# Altium PCB HYDRA_V3_RECOVERY_V2.PcbDoc (part 2 of 2)
Units mm, origin at the board's own origin, x right, y up, seen from the top; angles counter-clockwise.
Board outline 50 x 45 mm, 4 copper layers (Top Layer, PWR, GND, Bottom Layer), stack 0.603 mm thick; 134 components, 94 nets, 529 pads, 190 vias.
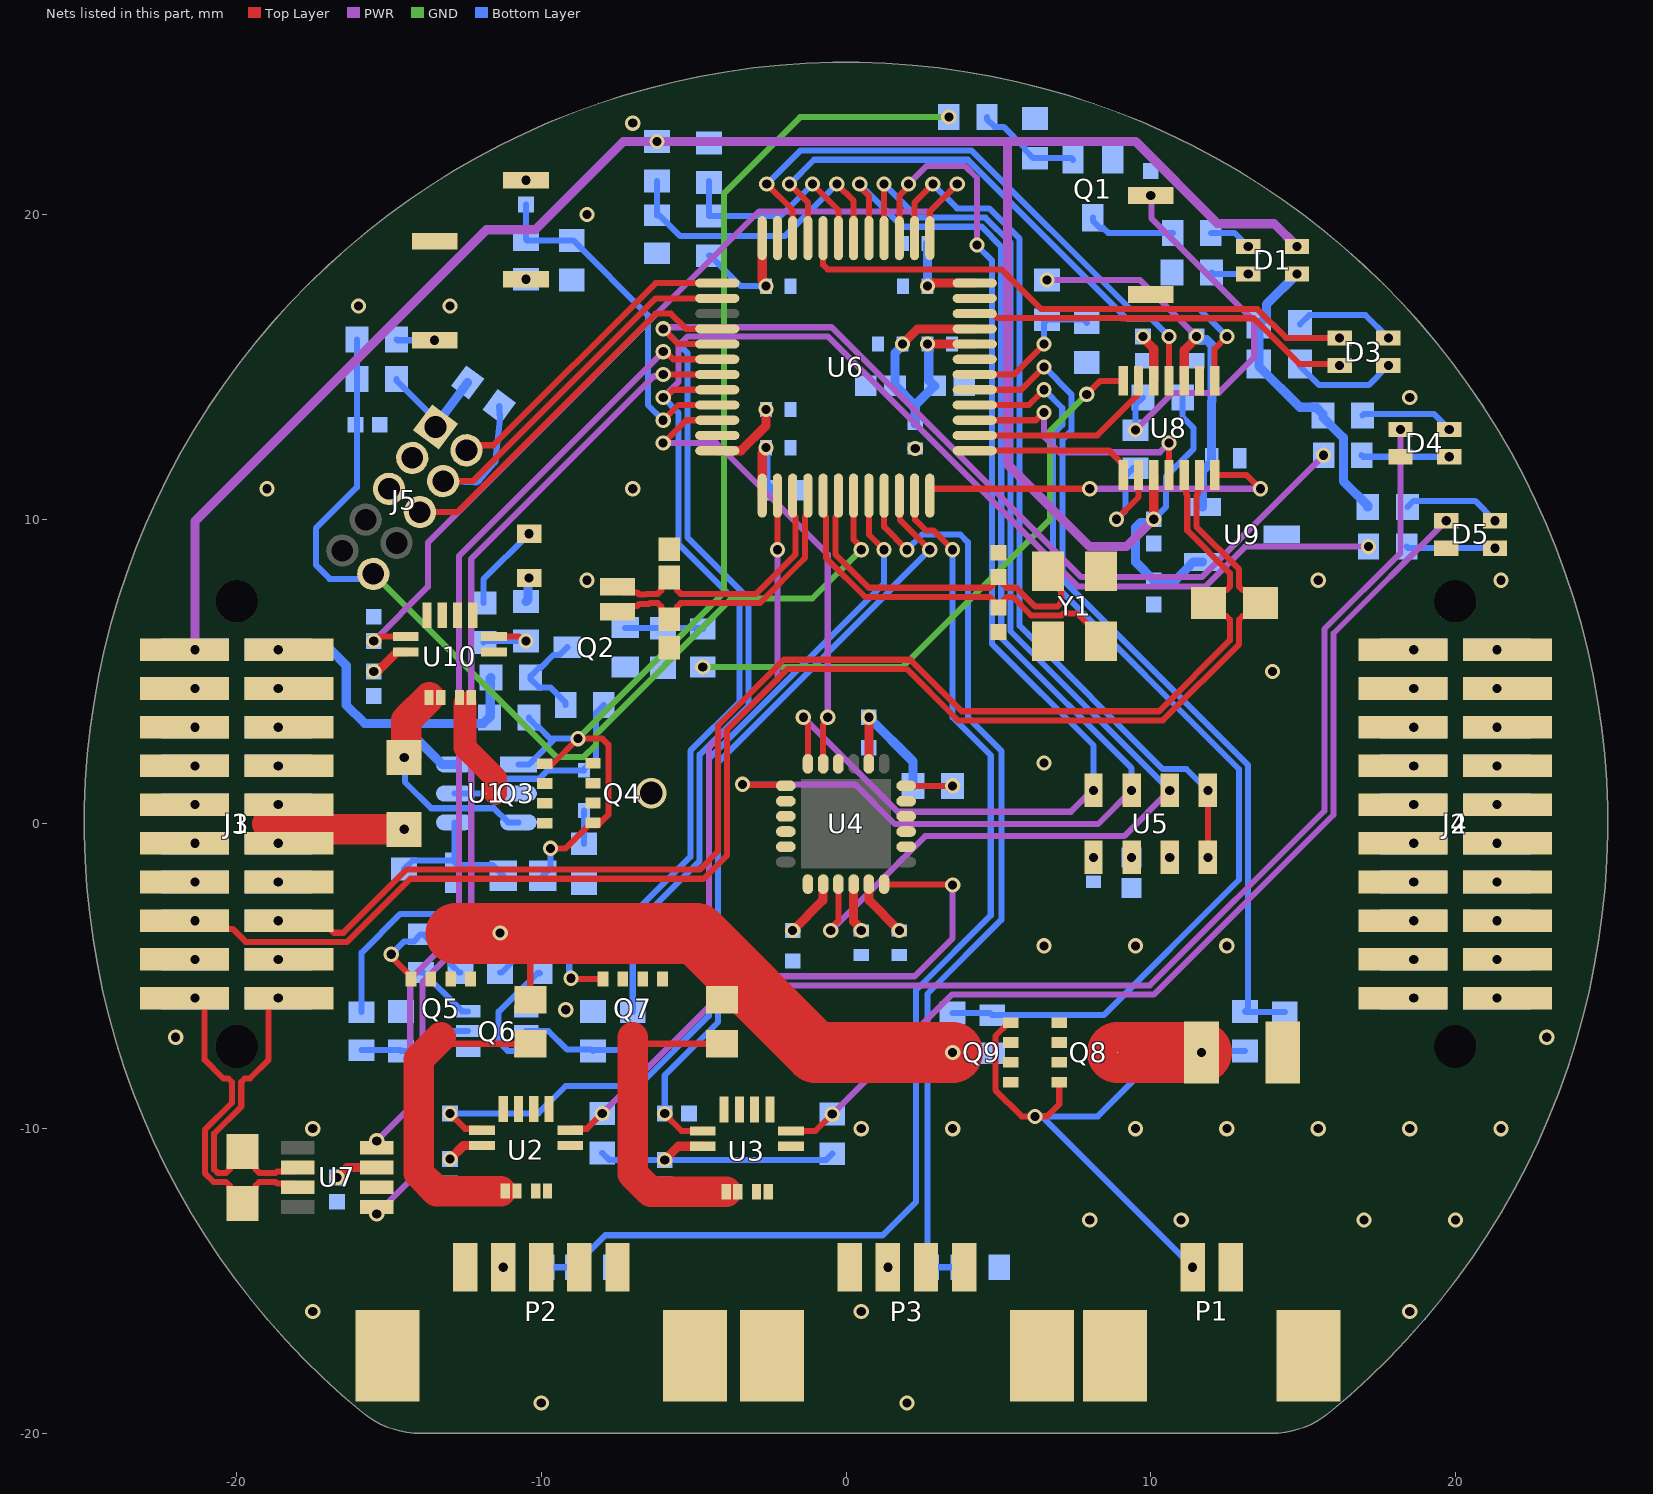
[diagram p4: the nets of this part, all layers, seen from the top]

## Part data (continued)
U5: library part CMP-2000-05251-1, "Barometric Pressure Sensor, with Stainless Steel Cap, 1.8 to 3.6 V, -45 to 85 degC, 8-Pin QFN, RoHS, Tape and Reel", Manufacturer="Measurement Specialties", Operating Pressure Max=1200mbar, Operating Pressure Min=10mbar, Operating Temperature Max=85degC, Operating Temperature Min=-40degC, Package Description="8-Pin Surface Mount Device, Body 5 x 3 mm, Pitch 1.25 mm", Package Reference=MS561101BA03-50-8, Sensor Case Style=QFN, Supply Current=12.5µA, Supply Voltage Max=3.6V, Supply Voltage Min=1.8V, Connection Size=0.5mm, Datasheet URL=http://www.te.com/commerce/DocumentDelivery/DDEController?Action=srchrtrv&DocNm=MS5611-01BA03&DocType=Data+Sheet&DocLang=English&DocFormat=pdf&PartCntxt=CAT-BLPS0036, Datasheet Version=Sep-15, Manufacturer URL=http://www.meas-spec.com/, No. of Pins=8, Pressure Type=Barometric, SVHC=NoSVHC(20-Jun-2013)
U6: library part CMP-020-00018-2, "RISC Microcontroller, 32-Bit, 170MHz", RoHS Compliant=Yes
U7: library part CMP-04872-000178-1, "IC TRANSCEIVER 1/1 SOT23-8", Case/Package=SOT-23-8, Max Operating Temperature=125°C, Min Operating Temperature=-40°C, Data Rate=1Mbps, Lead Free="Lead Free", Mount="Surface Mount", Packaging="Tape and Reel", RoHS Compliant=Yes
U8: library part CMP-318-000000-2, "Automotive CAN FD transceiver with watchdog, bus diagnostics and partial networking via sele 14-SOT-23-THIN -40 to 150", Component Type=Standard, Design Item ID=CMP-015-00012-2, Pin Count=14, Source=TCAN1146DYYRQ1.SchLib
U9: library part CMP-019-00041-1, "Ldo Cmos Lowcurr SOT23 T&r 3K"
Y1: library part CMP-27762-011708-1, "Crystal 48MHz ±20ppm 18pF SMD-4 3.2mm x 2.5mm", Case/Package=CSMD, ESR (Equivalent Series Resistance)=35R, Frequency=48MHz, Frequency Stability=50ppm, Frequency Tolerance=20ppm, Load Capacitance=18pF, Max Operating Temperature=70°C, Min Operating Temperature=-20°C, Operating Frequency="48 MHz", Package Quantity=1000, Resistor Type=Ceramic, Depth=2.5mm, Height=0.031inch, Lead Free="Lead Free", Length=3.2mm, Mount="Surface Mount", Number of Pins=4, Packaging="Tape and Reel", Radiation Hardening=No, REACH SVHC="No SVHC", RoHS Compliant=Yes, Series=ABM8, Series Resistance=35R, Termination=SMD/SMT, Tolerance=20ppm, Width=0.098inch
Y2: library part CMP-40224-000006-1, "CRYSTAL 32.7680KHZ 12.5PF SMD", Frequency=32.768kHz, Load Capacitance=12.5pF, Manufacturer="ECS International", Package=ECX-1210, Temperature="-40°C to +85°C", Temperature Range High=+85°C, Temperature Range Low=-40°C, Tolerance=20ppm, Automotive=No, Category=Crys, ComponentLink2Description=Datasheet, ComponentLink2URL=https://ecsxtal.com/store/pdf/ECX-1210.pdf, Device Class L1="Passive Components", Device Class L2="Crystals / Oscillators", Device Class L3=Crystals, Digikey Description="CRYSTAL 32.7680KHZ 12.5PF SMD", Esr=90kΩ, Height=0.5mm, Lead Free=Yes, Manufacturer Part Number=ECS-.327-12.5-1210-TR, Octopart=https://octopart.com/ecs-.327-12.5-1210-tr-ecs+international-81221340, RoHS=TRUE, Series=ECX-1210

## Via types
v1: diameter 0.5, hole 0.3, Top Layer to Bottom Layer, 188 vias
v2: diameter 1, hole 0.75, Top Layer to Bottom Layer, 1 vias
v3: diameter 0.5, hole 0.2, Top Layer to Bottom Layer, 1 vias

## Nets (pads, with @x,y where several pads share a name; then routed paths per layer and width w, separated by ;. In a path a pad name is that pad's centre, name@x,y a point inside that pad or via, vN(x,y) a via of type N, cw(c..) or ccw(c..) an arc to the next point about the centre after c; other vN are vias at no path point)
3V3: C3.2 C5.2 C6.1 C7.1 C8.2 C10.2 C11.1 C12.2 C13.2 C14.2 C17.1 C18.2 C21.2 C23.2 C32.2 C35.2 D1.2 DS1.1 FB1.1 J5.01 Q4.5-6-7-8 R21.2 R29.2 R32.1 R33.1 R34.2 R37.1 R39.2 R41.2 R49.1 R50.2 R51.1 SW2.2 U2.12 U3.12 U4.8 U4.11 U4.20 U5.1 U6.1 U6.24 U6.36 U6.48 U7.3 U8.5 U10.12 | length 50.1
  Top Layer w0.3: v1(-16.7,-11.6) -16.375,-11.275 U7.3@-15.4,-11.275 ; v1(-15.5,5) -15.462,5.038 -15.335,5.038 -14.725,5.648 U10.12@-14.45,5.648 ; v1(-13,-11) -12.552,-10.552 U2.12@-11.95,-10.552 ; v1(-5.95,-11.025) -5.502,-10.577 U3.12@-4.7,-10.577 ; U6.48@-4.225,12.25 -3.45,12.25 -2.625,13.075 v1(-2.625,13.6) ; U6.1@-2.75,10.775 -2.75,12.171 -2.625,12.296 v1(-2.625,12.35) ; U6.36@-2.75,19.225 -2.75,17.829 -2.625,17.704 v1(-2.625,17.65) ; v1(-1.75,-3.5) -0.76,-2.51 -0.76,-1.985 U4.8@-0.75,-1.975 ; U4.11@0.75,-1.975 0.76,-1.985 0.76,-2.51 v1(1.75,-3.5) ; U4.20@0.75,1.975 v1(0.75,3.5) ; v1(2.675,17.65) 2.729,17.65 2.829,17.75 U6.24@4.225,17.75 ; v1(9.75,16) 9.75,15.946 10.1,15.596 U8.5@10.1,14.543
  Bottom Layer w0.2: R49.1@-14.75,14.6 -14.75,14.55 -13.471,13.271 J5.01@-13.471,13.029 ; R21.2@-8,-10.8 -7.775,-11.025 v1(-5.95,-11.025) -0.65,-11.025 R29.2@-0.45,-10.825 ; R51.1@-4.5,18.65 -4.45,18.65 -3.45,17.65 v1(-2.625,17.65)
  Bottom Layer w0.3: J5.01@-13.471,13.029 -13.27,13.352 -12.58,14.268 R37.1@-12.419,14.491 ; R50.2@-10.5,7.3 -10.438,7.362 -10.438,8.037 v1(-10.4,8.075) ; v1(-2.625,12.35) -2.625,11.15 C17.1@-2.439,10.964 ; C17.1@-2.454,10.95 C17.1@-2.452,10.948 ; v1(0.75,3.5) 2.2,2.05 R34.2@2.2,1.25 ; v1(2.675,17.65) C11.1@2.675,19.05 ; v1(14.8,18.05) 13.8,17.05 13.8,16.65 R41.2@13.55,16.4 R39.2@13.55,15.1 13.55,15.025 14.9,13.675 15.425,13.675 15.65,13.45 R32.1@15.65,13.4 15.65,13.35 16.323,12.677 16.323,11.252 17.125,10.45 R33.1@17.125,10.4
  other v1: 8.125,-1.1 2.275,12.325 -10.5,21.125
  other v2: -6.39,1.012
3V3_CUTOFF_MOSFET: Q3.4 Q4.4 R6.2 R12.1 R13.2 U1.1 | length 39.7
  Top Layer w0.2: v1(-9.7,-0.8) -9.2,-0.8 -8.45,-0.05 -8.145,-0.05 -7.8,0.295 -7.8,2.6 -8,2.8 v1(-8.8,2.8) Q3.4@-9.666,1.934
  GND w0.2: v1(-8.8,2.8) -4,7.6 -4,20.7 -1.5,23.2 v1(3.375,23.2)
  Bottom Layer w0.2: U1.1@-10.75,1.95 -10.412,1.95 -9.562,2.8 ; R13.2@-10.4,3.5 -10.4,3.45 -10.125,3.175 -10.075,3.175 -9.7,2.8 -9.562,2.8 ; R12.1@-9.95,-1.7 -9.7,-1.45 v1(-9.7,-0.8) ; v1(-8.8,2.8) -9.562,2.8
3V3_I_SENSE: C34.2 U6.25 U10.11 | length 29.5
  Top Layer w0.2: v1(-15.5,6) -15.419,6 -15.271,6.148 U10.11@-14.45,6.148 ; U6.25@2.75,19.225 2.75,20.1 v1(3.65,21)
  PWR w0.2: v1(-15.5,6) -13.721,7.779 -13.721,9.236 -2.857,20.1 2.75,20.1 v1(3.65,21)
3V3_nFAULT: R50.1 R59.2 U10.6 | length 2.5
  Top Layer w0.2: U10.6@-11.55,6.148 -10.729,6.148 -10.581,6 v1(-10.5,6)
  Bottom Layer w0.2: R59.2@-11.9,5.95 -11.85,6 v1(-10.5,6)
3V3_POST_SHUNT: R10.2 U1.3 U10.1 U10.2 | length 7.4
  Top Layer w1: v1(-14.5,2.175) -14.425,2.25 -14.425,3.409 U10.1@-13.682,4.152
  Bottom Layer w0.2: v1(-14.5,2.175) -14.473,2.148 -14.473,1.373 -13.617,0.517 -11.554,0.517 -11.087,0.05 U1.3@-10.75,0.05
3V3_PRE_SHUNT: J1.09 J1.10 J1.11 J1.12 J3.09 J3.10 J3.11 J3.12 R10.1 R11.2 | length 4.6
  Top Layer w1: -19,0 -18.825,-0.175 v1(-14.5,-0.175)
  other v1: -21.365,-0.635 -18.635,-0.635 -21.365,0.635 -18.635,0.635
3V3_V_SENSE: R51.2 R52.1 U6.31 | length 7.1
  Top Layer w0.2: v1(-1.1,21) -0.25,20.15 U6.31@-0.25,19.225
  Bottom Layer w0.2: R51.2@-4.5,19.95 -2.15,19.95 v1(-1.1,21) ; R51.2@-4.5,20 R52.1@-4.5,21.05 R52.1@-4.5,21.1
5V_INT: C22.2 C27.1 R44.2 U8.3 U9.2 | length 13.4
  Top Layer w0.3: U8.3@11.1,14.543 11.1,15.546 11.5,15.946 v1(11.5,16)
  PWR w0.2: v1(6.6,17.85) 9.65,17.85 v1(11.5,16)
  Bottom Layer w0.3: v1(11.5,16) 11.61,15.89 11.836,15.89 12.012,15.714 12.012,13.882 12,13.87 C27.1@12,12 12,11.887 11.7,11.588 U9.2@11.7,10.4
BARO_MISO: U4.9 U5.6 U6.28 | length 41.5
  Top Layer w0.2: v1(-0.5,-3.5) -0.5,-3.419 -0.25,-3.169 U4.9@-0.25,-1.975 ; U6.28@1.25,19.225 v1(1.25,21)
  PWR w0.2: v1(-0.5,-3.5) 2.6,-0.4 9.125,-0.4 v1(10.625,1.1)
  Bottom Layer w0.2: v1(1.25,21) 2.35,19.9 4.573,19.9 5.398,19.075 5.398,6.327 v1(10.625,1.1)
BARO_MOSI: U4.1 U5.7 U6.29 | length 42.2
  Top Layer w0.2: v1(-3.4,1.3) -3.375,1.275 -2,1.275 U4.1@-1.975,1.25 ; v1(0.45,21) 0.45,20.919 0.75,20.619 U6.29@0.75,19.225
  PWR w0.2: v1(-3.4,1.3) 0.3,1.3 1.602,-0.002 8.273,-0.002 v1(9.375,1.1)
  Bottom Layer w0.2: v1(0.45,21) 1.852,19.598 4.449,19.598 5.097,18.95 5.097,6.103 9.375,1.825 v1(9.375,1.1)
BARO_nCS: U5.4 U5.5 U6.26 | length 28.9
  Top Layer w0.2: U6.26@2.25,19.225 2.25,20.4 v1(2.85,21) ; v1(11.875,-1.1) v1(11.875,1.1)
  Bottom Layer w0.2: v1(2.85,21) 3.648,20.202 4.698,20.202 5.7,19.2 5.7,6.5 10.4,1.8 11.175,1.8 v1(11.875,1.1)
BARO_SCLK: U4.24 U5.8 U6.27 | length 38.9
  Top Layer w0.2: v1(-1.4,3.5) -1.4,3.419 -1.25,3.269 U4.24@-1.25,1.975 ; U6.27@1.75,19.225 1.75,20.619 2.05,20.919 v1(2.05,21)
  PWR w0.2: v1(-1.4,3.5) 1.7,0.4 7.383,0.4 8.083,1.1 v1(8.125,1.1) ; v1(2.05,21) 2.65,21.6 3.9,21.6 4.3,21.2 v1(4.3,19)
  Bottom Layer w0.2: v1(4.3,19) 4.3,18.98 4.795,18.484 4.795,5.905 8.125,2.575 v1(8.125,1.1)
BOOT: C32.1 R46.1 R48.2 U6.45 | length 11.8
  Top Layer w0.2: v1(-6.002,13.25) -6,13.25 -5.5,13.75 U6.45@-4.225,13.75
  Bottom Layer w0.2: C32.1@-10.5,20.325 R46.1@-10.5,19.175 -10.475,19.15 R48.2@-9,19.15 -8.95,19.15 -6.5,16.7 -6.5,13.75 v1(-6.002,13.25) v1(-6.002,13.25)
CAN0_N: J1.16 J3.16 R40.2 U8.12 | length 46
  Top Layer w0.2: v1(-18.635,-3.175) J3.16@-18.285,-3.175 -17.195,-3.175 -16.925,-3.445 -16.925,-3.455 -16.808,-3.572 -16.498,-3.572 -15.2,-2.273 -14.513,-1.587 -14.425,-1.498 -4.798,-1.498 -4.202,-0.902 -4.202,3.225 -2.038,5.388 2.112,5.388 3.8,3.7 10.273,3.7 12.599,6.026 12.599,6.708 12.482,6.825 12.325,6.825 R40.2@11.9,7.25 12.325,7.675 12.482,7.675 12.599,7.792 12.599,8.232 11.199,9.632 11.199,10.792 11.153,10.839 11.153,11.405 U8.12@11.1,11.457
CAN0_P: J1.15 J3.15 R40.1 U8.13 | length 49.4
  Top Layer w0.2: v1(-21.365,-3.175) -21.095,-3.445 -20.13,-3.445 -19.702,-3.873 -16.373,-3.873 -14.3,-1.8 -4.673,-1.8 -3.9,-1.027 -3.9,3.1 -1.913,5.087 1.987,5.087 3.498,3.575 3.675,3.398 10.398,3.398 12.901,5.901 12.901,6.708 13.018,6.825 13.175,6.825 R40.1@13.6,7.25 13.175,7.675 13.018,7.675 12.901,7.792 12.901,8.357 11.501,9.757 11.501,10.792 11.548,10.839 11.548,11.405 U8.13@11.6,11.457
CAN1_N: J1.20 J3.20 R38.1 U7.6 | length 10.2
  Top Layer w0.2: v1(-18.635,-5.715) -18.68,-5.715 -18.95,-5.985 -18.95,-7.74 -19.565,-8.355 -19.732,-8.355 -19.849,-8.472 -19.849,-9.275 -20.742,-10.168 -20.742,-11.332 -20.625,-11.449 -20.342,-11.449 -20.225,-11.332 -20.225,-11.175 R38.1@-19.8,-10.75 -19.375,-11.175 -19.375,-11.332 -19.258,-11.449 -18.723,-11.449 -18.674,-11.4 -18.125,-11.4 U7.6@-18,-11.275
CAN1_P: J1.19 J3.19 R38.2 U7.7 | length 10.7
  Top Layer w0.2: v1(-21.365,-5.715) -21.32,-5.715 -21.05,-5.985 -21.05,-7.74 -20.435,-8.355 -20.268,-8.355 -20.151,-8.472 -20.151,-9.15 -21.044,-10.043 -21.044,-11.457 -20.75,-11.751 -20.342,-11.751 -20.225,-11.868 -20.225,-12.025 R38.2@-19.8,-12.45 -19.375,-12.025 -19.375,-11.868 -19.258,-11.751 -18.723,-11.751 -18.674,-11.8 -18.125,-11.8 U7.7@-18,-11.925
CAN1_RX: U6.33 U8.4 | length 18.7
  Top Layer w0.2: v1(-1.85,21) -1.25,20.4 U6.33@-1.25,19.225 ; U8.4@10.6,14.543 v1(10.6,16)
  Bottom Layer w0.2: v1(-1.85,21) -1.05,21.8 4,21.8 9.202,16.598 10.002,16.598 v1(10.6,16)
CAN1_TX: U6.34 U8.1 | length 21.8
  Top Layer w0.2: v1(-2.6,21) -1.75,20.15 U6.34@-1.75,19.225 ; U8.1@12.1,14.543 12.1,15.6 v1@12.5,16
  Bottom Layer w0.2: v1(-2.6,21) -1.498,22.102 4.125,22.102 9.327,16.9 11.6,16.9 v1@12.5,16
  other v1: 12.501,16
CAN2_RX: U6.42 U7.4 | length 31.7
  Top Layer w0.2: v1(-6,15.5) -5.919,15.5 -5.669,15.25 U6.42@-4.225,15.25
  PWR w0.2: v1(-15.4,-10.4) -14.3,-9.3 -14.3,-5.1 -12.7,-3.5 -12.7,8.8 v1(-6,15.5)
CAN2_TX: U6.43 U7.1 | length 33.4
  Top Layer w0.2: v1(-6,14.75) U6.43@-4.225,14.75
  PWR w0.2: v1(-15.4,-12.8) -13.9,-11.3 -13.9,-5.2 -12.3,-3.6 -12.3,8.7 -6.307,14.693 -6.057,14.693 v1(-6,14.75)
CAN_INH: R5.2 U8.7 | length 19.4
  Top Layer w0.2: v1(7.9,14.1) 8.343,14.543 U8.7@9.1,14.543
  GND w0.2: v1(-4.7,5.15) 1.85,5.15 6.7,10 6.7,12.9 v1(7.9,14.1)
CAN_MISO: U6.14 U8.6 | length 6.4
  Top Layer w0.2: U6.14@4.225,12.75 8.25,12.75 9.547,14.047 9.547,14.491 U8.6@9.6,14.543
CAN_MOSI: U6.15 U8.11 | length 8.7
  Top Layer w0.2: U6.15@4.225,13.25 6.233,13.25 6.483,13.5 v1(6.5,13.5) ; U8.11@10.6,11.457 v1(10.6,12.5)
  PWR w0.2: v1(6.5,13.5) 6.5,12.7 7,12.2 10.3,12.2 v1(10.6,12.5)
CAN_nCS: U6.12 U8.14 | length 12.7
  Top Layer w0.2: U6.12@2.75,10.775 2.75,10.954 2.796,11 v1(8,11) ; U8.14@12.1,11.457 13.143,11.457 v1(13.6,11)
  PWR w0.2: v1(8,11) v1(13.6,11)
CAN_SCLK: U6.13 U8.8 | length 5.4
  Top Layer w0.2: U6.13@4.225,12.25 8.643,12.25 9.1,11.793 U8.8@9.1,11.457
DROGUE_I_SENSE: C4.2 U3.11 U6.10 | length 25.8
  Top Layer w0.2: v1(-5.95,-9.5) -5.95,-9.525 -5.398,-10.077 U3.11@-4.7,-10.077 ; U6.10@1.75,10.775 1.768,10.757 1.768,9.982 v1(2.75,9)
  Bottom Layer w0.2: v1(-5.95,-9.5) -5.95,-8.25 -4.2,-6.5 -4.2,-0.9 -4.2,2.02 1.552,7.772 1.552,7.802 v1(2.75,9)
DROGUE_MATCH: P3.1 P3.2 R22.2 U3.3 U3.4
  other v1: 1.375,-14.55
DROGUE_nFAULT: D5.4 R29.1 U3.6 | length 33.3
  Top Layer w0.2: U3.6@-1.8,-10.077 -1.002,-10.077 v1(-0.45,-9.525)
  PWR w0.2: v1(-0.45,-9.525) 3.473,-5.602 10.098,-5.602 16,0.3 16,6.25 v1(19.7,9.95)
DROGUE_SENSE: R22.1 R25.2 U6.9 | length 30.7
  Top Layer w0.2: U6.9@1.25,10.775 1.25,9.75 v1(2,9)
  Bottom Layer w0.2: v1(2,9) 2.5,9.5 3.75,9.5 3.998,9.252 3.998,3.502 5.1,2.4 5.1,-3.15 2.675,-5.575 R22.1@2.675,-14.55 R25.2@3.75,-14.55
DROGUE_TRIG: R27.1 R31.1 U6.44 | length 61.3
  Top Layer w0.2: v1(-6,14) -5.919,14 -5.669,14.25 U6.44@-4.225,14.25
  PWR w0.2: v1(-6,14) -5.5,14.5 -5.5,15.7 -5.2,16 -0.6,16 7.602,7.798 11.8,7.798 13.102,9.1 v1(17.15,9.1)
  Bottom Layer w0.2: R27.1@-15.9,-6.175 -15.9,-4.225 -14.625,-2.95 -6.975,-2.95 -5.105,-1.08 -5.105,2.395 -3.5,4 -3.5,7.2 -5.502,9.202 -5.502,13.502 v1(-6,14)
GND: C1.2 C2.1 C3.1 C4.1 C5.1 C6.2 C7.2 C8.1 C9.1 C10.1 C11.2 C12.1 C13.1 C14.1 C15.2 C16.1 C17.2 C18.1 C19.2 C20.1 C21.1 C22.1 C23.1 C24.1 C25.1 C26.2 C27.2 C28.2 C29.2 C30.2 C31.1 C33.2 C34.1 C35.1 D4.1 D5.1 J1.07 J1.08 J1.13 J1.14 J1.17 J1.18 J2.01 J2.02 J2.03 J2.04 J2.05 J2.06 J2.07 J2.08 J2.09 J2.10 J2.11 J2.12 J3.07 J3.08 J3.13 J3.14 J3.17 J3.18 J4.01 J4.02 J4.03 J4.04 J4.05 J4.06 J4.07 J4.08 J4.09 J4.10 J4.11 J4.12 J5.03 J5.05 P1.2 P1.MP1 P1.MP2 P2.1 P2.4 P2.5 P2.MP1 P2.MP2 P3.3 P3.4 P3.MP1 P3.MP2 Q1.2 Q2.2 Q6.1 Q6.4 R1.2 R7.1 R8.1 R9.1 R17.1 R20.1 R25.1 R28.1 R35.1 R45.2 R48.1 R52.2 R54.2 R56.2 R58.2 SW1.2 SW3.2 U1.2 U2.5 U2.7 U2.8 U2.9 U2.10 U3.5 U3.7 U3.8 U3.9 U3.10 U4.2 U4.3 U4.4 U4.5 U4.7 U4.14 U4.15 U4.16 U4.17 U4.22 U5.3 U6.19 U6.23 U6.35 U6.47 U7.2 U8.2 U9.3 U10.5 U10.7 U10.8 U10.9 U10.10 Y1.2 Y1.4
  other v1: -10,-19 2,-19 -17.5,-16 0.5,-16 18.5,-16 8,-13 11,-13 17,-13 20,-13 -17.5,-10 0.5,-10 3.5,-10 9.5,-10 12.5,-10 15.5,-10 18.5,-10 21.5,-10 -22,-7 23,-7 -9.2,-6.1 -21.365,-4.445 -18.635,-4.445 6.5,-4 9.5,-4 12.5,-4 -21.365,-1.905 -18.635,-1.905 10.625,-1.1 18.635,-0.635 21.365,-0.635 18.635,0.635 21.365,0.635 -21.365,1.905 -18.635,1.905 18.635,1.905 21.365,1.905 6.5,2 18.635,3.175 21.365,3.175 18.635,4.445 21.365,4.445 14,5 18.635,5.715 21.365,5.715 -8.5,8 15.5,8 21.5,8 -19,11 -7,11 18.5,14 -16,17 -13,17 -8.5,20 -7,23
IMU_nCS: U4.23 U6.46 | length 15.9
  Top Layer w0.2: v1(-6.002,12.5) -6,12.5 -5.25,13.25 U6.46@-4.225,13.25 ; U4.23@-0.75,1.975 -0.75,3.269 -0.6,3.419 v1(-0.6,3.5)
  PWR w0.2: v1(-6.002,12.5) -4.25,12.5 -0.6,8.85 v1(-0.6,3.5)
IMU_nRESET: R34.1 U4.18 | length 1.5
  Top Layer w0.2: U4.18@1.975,1.25 v1(3.5,1.25)
IMU_ODR: U4.12 U6.2 | length 28.1
  Top Layer w0.2: v1(-2.25,9) U6.2@-2.25,10.775 ; U4.12@1.25,-1.975 1.262,-1.987 3.487,-1.987 v1(3.5,-2)
  PWR w0.2: v1(-2.25,9) -2.25,4.75 -4.5,2.5 -4.5,-3 -2.502,-4.998 2.252,-4.998 3.5,-3.75 v1(3.5,-2)
INT_5V_SENSE: R44.1 R45.1 U6.18 | length 4.9
  Top Layer w0.2: U6.18@4.225,14.75 5.5,14.75 v1(6.5,15.75)
  Bottom Layer w0.2: v1(6.5,15.75) 6.5,16.45 R44.1@6.6,16.55 7.8,16.55 R45.1@7.9,16.45
MAIN_I_SENSE: C2.2 U2.11 U6.8 | length 30.8
  Top Layer w0.2: v1(-13,-9.5) -12.498,-10.002 -12,-10.002 U2.11@-11.95,-10.052 ; U6.8@0.75,10.775 0.75,9.5 v1(1.25,9)
  Bottom Layer w0.2: v1(-13,-9.5) -10.1,-9.5 -9.2,-8.6 -6.8,-8.6 -4.502,-6.302 -4.502,2.145 1.25,7.897 v1(1.25,9)
MAIN_MATCH: P2.2 P2.3 R14.2 U2.3 U2.4
  other v1: -11.25,-14.55
MAIN_nFAULT: D4.4 R21.1 U2.6 | length 42.6
  Top Layer w0.2: U2.6@-9.05,-10.052 -9,-10.002 -8.502,-10.002 v1(-8,-9.5)
  PWR w0.2: v1(-8,-9.5) -3.8,-5.3 9.973,-5.3 15.698,0.425 15.698,6.398 18.2,8.9 v1(18.2,12.95)
MAIN_SENSE: R14.1 R17.2 U6.11 | length 38.6
  Top Layer w0.2: U6.11@2.25,10.775 2.268,10.757 2.268,9.982 2.617,9.633 2.867,9.633 3.498,9.002 v1(3.498,9)
  Bottom Layer w0.2: R14.1@-9.95,-14.55 R17.2@-8.875,-14.55 -8.875,-14.475 -7.9,-13.5 1.2,-13.5 2.3,-12.4 2.3,-5.45 4.75,-3 4.75,2.25 3.498,3.502 v1(3.498,9)
MAIN_TRIG: R19.1 R30.1 U6.41 | length 53.9
  Top Layer w0.2: v1(-6,16.25) -5.5,15.75 U6.41@-4.225,15.75
  PWR w0.2: v1(-6,16.25) -5.948,16.302 -0.475,16.302 7.727,8.1 11.675,8.1 v1(15.675,12.1)
  Bottom Layer w0.2: R19.1@-7,-6.175 -7,-3.402 -4.803,-1.205 -4.803,2.27 -3.198,3.875 -3.198,7.398 -5.2,9.4 -5.2,15.45 v1(-6,16.25)
MCU_G_LED: D3.1 U6.22 | length 12.7
  Top Layer w0.2: U6.22@4.225,16.75 4.817,16.75 4.967,16.6 9.038,16.6 9.042,16.597 13.377,16.597 14.873,15.1 16.15,15.1 v1(16.2,15.05)
MCU_R_LED: D3.4 U6.32 | length 18.8
  Top Layer w0.2: U6.32@-0.75,19.225 -0.75,18.35 -0.6,18.2 5.1,18.2 6.398,16.902 9.163,16.902 9.166,16.898 13.502,16.898 14.45,15.95 v1(16.2,15.95)
nARM_PYRO: P1.1 Q8.4 Q9.4 R36.2 | length 17.9
  Top Layer w0.2: Q9.4@5.41,-6.525 5.335,-6.525 4.9,-6.96 4.9,-8.734 5.766,-9.6 v1(6.2,-9.6) 6.6,-9.6 7,-9.2 Q8.4@7,-8.475
  Bottom Layer w0.2: v1(6.2,-9.6) v1@6.425,-9.6 ; R36.2@10.366,-7.5 10.366,-7.55 10.091,-7.825 10.041,-7.825 8.266,-9.6 v1@6.425,-9.6 ; v1(11.375,-14.55) v1@6.425,-9.6
NetC1_1: C1.1 R11.1 R12.2 U1.4 | length 4.9
  Bottom Layer w0.2: R11.1@-14.5,-1.475 -14.225,-1.2 C1.1@-12.9,-1.2 ; U1.4@-12.85,0.05 -12.85,-1.2 C1.1@-12.9,-1.2 ; R12.2@-11.25,-1.7 -11.6,-1.35 -12.75,-1.35 C1.1@-12.9,-1.2
NetC9_2: C9.2 U4.10 | length 1.6
  Top Layer w0.3: U4.10@0.25,-1.975 0.25,-3.196 0.5,-3.446 v1(0.5,-3.5)
NetC25_2: C25.2 R42.2 R43.2 SW1.1 | length 12.8
  PWR w0.2: v1(9.5,12.925) 10.725,14.15 12.233,14.15 13.4,15.317 13.4,16.5 10.025,19.875 10.025,20.6 v1(10,20.625)
  Bottom Layer w0.2: v1(9.5,12.925) 9.5,13.75 R42.2@9.75,14
NetD1_1: D1.1 R1.1 | length 1.2
  Bottom Layer w0.2: R1.1@12,18.1 12.05,18.05 v1(13.2,18.05)
NetD1_4: D1.4 R4.2 | length 1.4
  Bottom Layer w0.2: R4.2@11.975,19.4 12.75,19.4 v1(13.2,18.95)
NetD2_2: D2.2 R9.2 | length 1.1
  Bottom Layer w0.2: R9.2@-8.6,-0.65 D2.2@-8.6,0.44
NetD3_2: D3.2 R39.1 | length 3.5
  Bottom Layer w0.2: R39.1@14.9,15.1 14.9,15.025 15.525,14.4 17.15,14.4 v1(17.8,15.05)
NetD3_3: D3.3 R41.1 | length 3.3
  Bottom Layer w0.2: R41.1@14.9,16.4 15.2,16.7 17.05,16.7 v1(17.8,15.95)
NetD4_2: D4.2 R30.2 | length 2.9
  Bottom Layer w0.2: R30.2@16.925,12.1 16.975,12.05 v1(19.8,12.05)
NetD4_3: D4.3 R32.2 | length 3.1
  Bottom Layer w0.2: R32.2@16.95,13.4 17,13.45 19.3,13.45 v1(19.8,12.95)
NetD5_2: D5.2 R31.2 | length 2.9
  Bottom Layer w0.2: R31.2@18.4,9.1 18.45,9.05 v1(21.3,9.05)
NetD5_3: D5.3 R33.2 | length 3.2
  Bottom Layer w0.2: R33.2@18.425,10.4 18.625,10.6 20.65,10.6 v1(21.3,9.95)
NetDS1_2: DS1.2 R59.1 | length 2.9
  Bottom Layer w0.2: R59.1@-11.9,7.25 -11.9,8.025 v1(-10.4,9.525)
NetQ1_1: Q1.1 R6.1 R8.2 | length 3.5
  Bottom Layer w0.2: R6.1@4.625,23.2 4.625,23.125 4.875,22.875 5.175,22.875 5.875,22.175 5.875,22.125 6.15,21.85 7.4,21.85 Q1.1@7.45,21.8
NetQ1_3: Q1.3 R4.1 | length 2.9
  Bottom Layer w0.2: Q1.3@8.1,19.9 8.1,19.8 8.35,19.55 8.45,19.55 8.6,19.4 R4.1@10.725,19.4
NetQ2_1: Q2.1 R5.1 R7.2 | length 2.6
  Bottom Layer w0.2: Q2.1@-7.25,6.425 -4.725,6.425 R5.1@-4.7,6.4
NetQ2_3: Q2.3 R2.1 R3.1 | length 3.2
  Bottom Layer w0.2: R2.1@-10.35,4.756 -10.075,4.481 -9.706,4.481 -9.2,3.975 R3.1@-9.2,3.9 ; R2.1@-10.35,4.8 -10.35,4.85 -10.075,5.125 -10.025,5.125 -9.6,5.55 -9.4,5.55 Q2.3@-9.15,5.8
NetQ3_1: Q3.1 Q3.2 Q3.3 Q4.1 Q4.2 Q4.3
NetQ5_4: Q5.4 R15.2 R18.2 | length 4.2
  Top Layer w0.2: v1@-14.9,-4.3 -14.843,-4.357 -14.843,-4.447 -14.275,-5.015 Q5.4@-14.275,-5.09
  Bottom Layer w0.2: v1(-14.925,-4.275) -14.512,-3.862 -14.187,-3.862 R15.2@-13.95,-3.625 -13.875,-3.625 -12.975,-4.525 -12.975,-4.6 -12.7,-4.875 R18.2@-12.65,-4.875
NetQ6_2: Q6.2 R19.2 R20.2 | length 3.8
  Bottom Layer w0.2: Q6.2@-10.5,-6.8 -9.763,-6.8 -9.162,-7.402 -8.348,-7.402 R20.2@-8.3,-7.45 -8.275,-7.425 R19.2@-7,-7.425
NetQ6_3: Q6.3 R23.1 | length 3.9
  Bottom Layer w0.2: Q6.3@-10.5,-7.45 -11.1,-7.45 -11.4,-7.15 -11.4,-6.165 -10.743,-5.508 -10.733,-5.508 -10.125,-4.9 R23.1@-10.05,-4.9
NetQ6_5: Q6.5 R27.2 R28.2 | length 3.8
  Bottom Layer w0.2: R27.2@-15.9,-7.425 -14.625,-7.425 R28.2@-14.6,-7.45 -13.775,-7.45 -13.125,-6.8 Q6.5@-12.4,-6.8
NetQ6_6: Q6.6 R15.1 | length 2.1
  Bottom Layer w0.2: R15.1@-13.95,-4.875 -13.875,-4.875 -12.7,-6.05 -12.6,-6.15 Q6.6@-12.4,-6.15
NetQ7_4: Q7.4 R23.2 R26.2 | length 4.7
  Top Layer w0.2: v1@-9,-5.09 Q7.4@-7.975,-5.09
  Bottom Layer w0.2: R26.2@-11.35,-4.875 -11.3,-4.875 -10.375,-3.95 -10.375,-3.9 -10.125,-3.65 R23.2@-10.05,-3.65 -9.975,-3.65 -9.082,-4.543 -9.082,-5.008 v1(-9.025,-5.065)
NetQ8_1: Q8.1 Q8.2 Q8.3 Q9.1 Q9.2 Q9.3
NetR35_2: R35.2 U5.2
  other v1: 9.375,-1.1
NetR43_1: R43.1 U8.9 | length 3.7
  Top Layer w0.2: v1(8.875,10) 9.6,10.725 U8.9@9.6,11.457
  Bottom Layer w0.2: v1(8.875,10) 9.175,10.3 9.175,11.425 9.425,11.675 R43.1@9.5,11.675
NetR46_2: R46.2 SW2.1
  other v1: -10.5,17.875
NetR47_2: R47.2 SW3.1 | length 1.3
  Bottom Layer w0.2: R47.2@-14.75,15.9 -14.725,15.875 v1(-13.5,15.875)
NOT_USED: J1.03 J1.04 J1.05 J1.06 J3.03 J3.04 J3.05 J3.06
  other v1: -21.365,3.175 -18.635,3.175 -21.365,4.445 -18.635,4.445
POST_3V3_W_SHNT: Q3.5-6-7-8 U10.3 U10.4 | length 3.4
  Top Layer w0.75: -12.5,3.97 -12.5,2.5 -11.5,1.5 -11.5,1
PRE_DROGUE_MATCH: Q7.5-6-7-8 R24.2 U3.1 U3.2 | length 10.8
  Top Layer w0.2: Q7.5-6-7-8@-7,-7 -6.785,-7.215 R24.2@-4.062,-7.215
  Top Layer w1: Q7.5-6-7-8@-7,-7 -7,-11.487 -6.414,-12.073 U3.1@-3.932,-12.073
PRE_MAIN_MATCH: Q5.5-6-7-8 R16.2 U2.1 U2.2 | length 10.7
  Top Layer w0.2: -13.085,-7.215 R16.2@-10.363,-7.215
  Top Layer w0.3: Q5.5-6-7-8@-13.3,-7 -13.085,-7.215
  Top Layer w1: Q5.5-6-7-8@-13.3,-7 -14.025,-7.725 -14.025,-11.462 -13.439,-12.048 U2.1@-11.332,-12.048
PRE_PYRO_PWR: F1.1 J2.13 J2.14 J2.15 J2.16 J2.17 J2.18 J2.19 J2.20 J4.13 J4.14 J4.15 J4.16 J4.17 J4.18 J4.19 J4.20
  other v1: 18.635,-5.715 21.365,-5.715 18.635,-4.445 21.365,-4.445 18.635,-3.175 21.365,-3.175 18.635,-1.905 21.365,-1.905
PYRO_PWR: F1.2 Q8.5-6-7-8 R36.1 R53.1 | length 4.2
  Top Layer w2: Q8.5-6-7-8@8.91,-7.5 v1(11.666,-7.5)
  Bottom Layer w0.2: v1(11.666,-7.5) 11.716,-7.45 R53.1@13.1,-7.45
PYRO_PWR_SENSE: R53.2 R54.1 U6.17 | length 28.1
  Top Layer w0.2: U6.17@4.225,14.25 5.75,14.25 v1(6.5,15)
  Bottom Layer w0.2: v1(6.5,15) 7.4,14.1 7.4,12.9 7.102,12.602 7.102,8.025 13.2,1.927 13.2,-6.05 R53.2@13.1,-6.15 13.125,-6.175 R54.1@14.4,-6.175
PYRO_PWR_SW: Q5.1 Q5.2 Q5.3 Q7.1 Q7.2 Q7.3 Q9.5-6-7-8 R16.1 R18.1 R24.1 R26.1 R55.1 | length 22.1
  Top Layer w0.2: Q5.1@-12.325,-5.09 -12.325,-5.015 Q5.1@-12.25,-4.94 ; R16.1@-10.788,-5.415 -10.438,-5.765 R16.1@-10.363,-5.765 -10.363,-3.6
  Top Layer w2: -12.8,-3.6 -10.363,-3.6 -4.9,-3.6 -1,-7.5 v1(3.5,-7.5)
  Bottom Layer w0.3: R18.1@-12.65,-3.575 v1(-11.35,-3.575)
PYRO_PWR_SW_SENSE: R55.2 R56.1 U6.16 | length 32.7
  Top Layer w0.2: U6.16@4.225,13.75 6,13.75 v1(6.5,14.25)
  Bottom Layer w0.2: R55.2@3.5,-6.2 4.725,-6.2 R56.1@4.8,-6.275 8.459,-6.275 12.898,-1.836 12.898,1.802 6.8,7.9 6.8,12.8 7.098,13.098 7.098,13.652 v1(6.5,14.25)
RESETN: C33.1 J5.10 R47.1 R49.2 U6.7 | length 33.5
  Top Layer w0.2: U6.7@0.25,10.775 0.25,9.331 0.5,9.081 v1(0.5,9)
  GND w0.2: J5.10@-15.514,8.207 -9.507,2.2 -8.6,2.2 -8.2,2.6 -8.2,2.95 -3.75,7.4 -1.1,7.4 v1(0.5,9)
  Bottom Layer w0.2: R47.1@-16.05,15.9 R49.2@-16.05,14.6 -16.05,11.05 -17.4,9.7 -17.4,8.5 -16.943,8.043 -15.679,8.043 J5.10@-15.514,8.207
SHDN_3V3: D2.1 R3.2 U1.5 | length 7
  Bottom Layer w0.2: U1.5@-12.85,1 -11.747,1 -11.263,1.483 -10.063,1.483 -9.787,1.76 D2.1@-8.6,1.76 -8.6,1.8 -8.5,1.9 -8.46,1.9 -8.2,2.16 -8.2,3.65 R3.2@-7.95,3.9
SWCLK: J5.04 R37.2 U6.38 | length 15.3
  Top Layer w0.2: J5.04@-13.221,11.25 -12.25,11.25 -6.25,17.25 U6.38@-4.225,17.25
  Bottom Layer w0.2: J5.04@-13.221,11.25 -12.197,11.204 ccw(c-12.188,11.404) -12.037,11.274 -11.543,11.849 ccw(c-11.695,11.98) -11.496,11.959 -11.357,13.284 R37.2@-11.381,13.709
SWDIO: J5.02 U6.37 | length 10.5
  Top Layer w0.2: J5.02@-12.457,12.264 -12.293,12.429 -11.571,12.429 -6.25,17.75 U6.37@-4.225,17.75
SWO: J5.06 U6.40 | length 12.7
  Top Layer w0.2: J5.06@-13.986,10.236 -12.764,10.236 -6.25,16.75 -5.75,16.75 -5.25,16.25 U6.40@-4.225,16.25
VCC: C24.2 C31.2 D1.3 J1.01 J1.02 J3.01 J3.02 R2.2 R13.1 R42.1 R57.1 U1.6 U8.10 U9.1 | length 87
  Top Layer w0.3: v1(10.1,10) U8.10@10.1,11.457
  PWR w0.3: v1(-21.365,5.715) -21.365,9.935 -11.8,19.5 -10.2,19.5 -7.3,22.4 v1(-6.2,22.4) 5.3,22.4 ; v1(10.1,10) 9.2,9.1 8,9.1 5.3,11.8 5.3,22.4 ; v1(14.8,18.95) 14.05,19.7 12.2,19.7 9.5,22.4 5.3,22.4
  Bottom Layer w0.2: v1(10.1,10) 10.5,10.4 10.5,11.4 11.4,12.3 11.4,13 11.05,13.35 R42.1@11.05,14
  Bottom Layer w0.3: v1(-18.635,5.715) -16.915,5.715 -16.4,5.2 -16.4,3.9 -15.8,3.3 -14.6,3.3 ; U1.6@-12.85,1.95 -13.25,1.95 -14.6,3.3 ; R2.2@-11.65,4.8 -11.675,4.775 -11.675,3.525 R13.1@-11.7,3.5 -11.9,3.3 -14.6,3.3 ; v1(10.1,10) 9.99,9.89 9.666,9.89 9.5,9.724 9.5,8.6 C31.2@10.1,8 10.81,8 11.25,8.44 11.25,8.45 11.4,8.6 U9.1@11.7,8.6
VCC_SENSE: R57.2 R58.1 U6.30 | length 10
  Top Layer w0.2: v1(-0.3,21) 0.25,20.45 U6.30@0.25,19.225
  Bottom Layer w0.2: R57.2@-6.2,21.1 R58.1@-6.2,19.975 -6.125,19.975 -5.45,19.3 -2,19.3 v1(-0.3,21)
VDDA: C15.1 C16.2 C19.1 C20.2 FB1.2 U6.20 U6.21 | length 9.6
  Top Layer w0.3: v1(1.85,15.75) 2.35,16.25 U6.21@4.225,16.25 ; v1(2.675,15.75) U6.20@4.225,15.75
  Bottom Layer w0.3: v1(1.85,15.75) 1.85,15.7 1.604,15.454 C19.1@1.604,14.375 1.625,14.375 2.275,13.725 ; FB1.2@2.275,13.125 2.275,13.725 ; v1(2.675,15.75) 2.714,15.711 2.714,14.561 C15.1@2.9,14.375 ; 2.275,13.725 2.275,13.75 C15.1@2.9,14.375 ; C15.1@2.9,14.375 C15.1@2.921,14.375 C15.1@2.9,14.375
X32_N: C30.1 U6.4 Y2.2 | length 9.6
  Top Layer w0.2: Y2.2@-7.5,6.962 -7.312,7.15 -6.856,7.15 -6.782,7.224 -6.462,7.224 -6.437,7.249 -6.173,7.249 -6.056,7.132 -6.056,6.972 C30.1@-5.8,6.716 -5.544,6.972 -5.544,7.132 -5.427,7.249 -2.824,7.249 -2.648,7.426 -1.526,8.548 -1.349,8.724 -1.349,10.074 -1.25,10.173 U6.4@-1.25,10.775
X32_P: C29.1 U6.3 Y2.1 | length 9.1
  Top Layer w0.2: Y2.1@-7.5,7.788 -7.312,7.6 -6.856,7.6 -6.782,7.526 -6.587,7.526 -6.562,7.551 -6.173,7.551 -6.056,7.668 -6.056,7.828 C29.1@-5.8,8.084 -5.544,7.828 -5.544,7.668 -5.427,7.551 -2.949,7.551 -1.651,8.849 -1.651,10.074 -1.75,10.173 U6.3@-1.75,10.775
X_N: C28.1 U6.6 Y1.1 | length 11.7
  Top Layer w0.2: U6.6@-0.25,10.775 -0.25,10.173 -0.349,10.074 -0.349,8.849 0.749,7.751 4.723,7.751 4.84,7.868 4.84,7.94 C28.1@5,8.1 5.16,7.94 5.16,7.868 5.277,7.751 5.594,7.751 6.201,7.143 6.947,7.143 7.064,7.26 7.064,7.46 7.05,7.474 7.05,7.865 Y1.1@6.625,8.29
X_P: C26.1 U6.5 Y1.3 | length 12.8
  Top Layer w0.2: U6.5@-0.75,10.775 -0.75,10.173 -0.651,10.074 -0.651,8.724 -0.562,8.636 0.624,7.449 4.723,7.449 4.84,7.332 4.84,7.26 C26.1@5,7.1 5.16,7.26 5.16,7.332 5.277,7.449 5.469,7.449 6.077,6.842 7.072,6.842 7.137,6.907 7.583,6.907 8.375,6.115 Y1.3@8.375,5.99
pads on no net: J1. J2. J3. J4. J5.07 J5.08 J5.09 U4.6 U4.13 U4.19 U4.21 U4.25 U6.39 U7.5 U7.8
copper on no net:
  other v3: 0,0

## Polygon pours and split planes (outlines as drawn)
GND on Top Layer "GND_L01_P051" (solid, remove dead copper, pour order 51): -15.886,-19.366 ccw(c-13.96,-17) -13.96,-20.05 13.96,-20.05 ccw(c13.96,-17) 15.886,-19.366 15.9,-19.357 ccw(c0,0) 25.05,0 ccw(c0,0)
NetQ3_1 on Top Layer "NETQ3_1_L01_P017" (solid, pour order 17): -10.15,1.5 -9.65,1.5 -8.56,2.15 -8.06,2.15 -8.06,0.5 -8.56,0.5 -9.65,-0.15 -10.15,-0.15
DROGUE_MATCH on Top Layer "DROGUE_MATCH_L01_P034" (solid, pour order 34): -3.15,-11.427 -3.15,-12.727 -0.275,-15.35 1.775,-15.35 1.775,-13.75 -2.35,-11.427
PYRO_PWR_SW on Top Layer "PYRO_PWR_SW_L01_P042" (solid, pour order 42): -13.8,-5.34 -13.8,-2.6 -12.15,-2.6 -12.15,-5.34
NOT_USED on Top Layer "NOT_USED_L01_P052" (solid, pour order 52): -23.175,4.815 -16.825,4.815 -16.825,2.805 -23.175,2.805
3V3_PRE_SHUNT on Top Layer "3V3_PRE_SHUNT_L01_P060" (solid, pour order 60): -23.175,1.005 -16.825,1.005 -16.825,-1.005 -23.175,-1.005
PRE_PYRO_PWR on Top Layer "PRE_PYRO_PWR_L01_P048" (solid, pour order 48): 13.762,-6.484 16.825,-1.535 23.175,-1.535 23.175,-6.085 20,-6.085 14.905,-8.516 13.762,-8.516
NetQ8_1 on Top Layer "NETQ8_1_L01_P046" (solid, pour order 46): 5.16,-7 5.66,-7 6.75,-6.35 7.25,-6.35 7.25,-8 6.75,-8 5.66,-8.65 5.16,-8.65
PYRO_PWR_SW on Top Layer "PYRO_PWR_SW_L01_P040" (solid, pour order 40): -7.5,-5.34 -7.5,-4.3 -5.9,-4.3 -5.85,-4.35 -5.85,-5.34
MAIN_MATCH on Top Layer "MAIN_MATCH_L01_P045" (solid, pour order 45): -9.6,-15.35 -11.65,-15.35 -11.65,-13.75 -11.25,-13.75 -10.4,-12.702 -10.4,-11.402 -9.6,-11.402 -9.6,-13.75
3V3 on PWR "3V3_L02_P056" (solid, remove dead copper, pour order 56): -15.886,-19.366 ccw(c-13.96,-17) -13.96,-20.05 13.96,-20.05 ccw(c13.96,-17) 15.886,-19.366 15.9,-19.357 ccw(c0,0) 25.05,0 ccw(c0,0)
PRE_PYRO_PWR on PWR "PRE_PYRO_PWR_L02_P008" (solid, pour order 8): 16.833,-1.543 23.167,-1.543 23.167,-6.077 23.175,-6.085 16.825,-6.085
NOT_USED on PWR "NOT_USED_L02_P010" (solid, pour order 10): -23.175,4.815 -16.825,4.815 -16.825,2.805 -23.175,2.805
VCC on PWR "VCC_L02_P009" (solid, pour order 9): -23.175,6.085 -16.825,6.085 -16.825,5.345 -23.175,5.345
3V3_PRE_SHUNT on PWR "3V3_PRE_SHUNT_L02_P021" (solid, pour order 21): -23.175,1.005 -16.825,1.005 -16.825,-1.005 -23.175,-1.005
GND on Bottom Layer "GND_L04_P053" (solid, remove dead copper, pour order 53): -15.886,-19.366 ccw(c-13.96,-17) -13.96,-20.05 13.96,-20.05 ccw(c13.96,-17) 15.886,-19.366 15.9,-19.357 ccw(c0,0) 25.05,0 ccw(c0,0)
NOT_USED on Bottom Layer "NOT_USED_L04_P054" (solid, pour order 54): -23.175,4.815 -16.825,4.815 -16.825,2.805 -23.175,2.805
PRE_PYRO_PWR on Bottom Layer "PRE_PYRO_PWR_L04_P020" (solid, pour order 20): 16.833,-1.543 23.167,-1.543 23.167,-6.077 23.175,-6.085 16.825,-6.085
3V3_PRE_SHUNT on Bottom Layer "3V3_PRE_SHUNT_L04_P058" (solid, pour order 58): -23.175,1.005 -16.825,1.005 -16.825,-1.005 -23.175,-1.005
GND on GND "GND_L03_P049" (solid, remove dead copper, pour order 49): -15.886,-19.366 ccw(c-13.96,-17) -13.96,-20.05 13.96,-20.05 ccw(c13.96,-17) 15.886,-19.366 15.9,-19.357 ccw(c0,0) 25.05,0 ccw(c0,0)
PRE_PYRO_PWR on GND "PRE_PYRO_PWR_L03_P019" (solid, pour order 19): 16.833,-1.543 23.167,-1.543 23.167,-6.077 23.175,-6.085 16.825,-6.085
NOT_USED on GND "NOT_USED_L03_P050" (solid, pour order 50): -23.175,4.815 -16.825,4.815 -16.825,2.805 -23.175,2.805
3V3_PRE_SHUNT on GND "3V3_PRE_SHUNT_L03_P057" (solid, pour order 57): -23.175,1.005 -16.825,1.005 -16.825,-1.005 -23.175,-1.005

## Silkscreen, mask and mechanical layers (free items; w line width, h text height)
Top Overlay:
  region: 980 vertices and 2 holes, not listed, extent 14.33,-15.265 19.53,-8.999
  text "WAKE" at 8.65,21.25 h0.75
  text "BT" at -13.35,19.9 h0.75
  text "PWR" at 12.15,19.65 h0.75
  text "RST" at -17.2,17 h0.75
  text "MCU" at 15.65,16.65 h0.75
  text "MAIN" at 17.35,13.65 h0.75
  text "CAN / 0" at 13.35,11.75 h0.75
  text "DROGUE" at 17.65,10.65 h0.75
  text "DBG" at -22.29,10.53 h0.75 r323
  text "IMU+BARO" at 4.15,3.15 h0.75
  text "CAN_1" at -20.15,-9.325 h0.75
  text "HYDRA_V3_RECOVERY" at 0.15,-11.225 h0.75
  text "Designed with pyromania" at 0.1,-12.233 h0.5

## Text inside footprints (layer, text, board x,y; h text height)
U8: Top 3D Body "*" at 11.4,13.991 h1.27 r270; Top Overlay "*" at 12.278,15.115 h1.27 r270